# Allegro board 038RT-9068CJK8E-A100_0921_1.brd (continued)
## Routing (per net, layer and track width the routed paths; a pad name or vN(x,y) marks a point on that pad's centre or on a via; arc(x,y) is an arc through that point) (continued)
SG0_U2_FE_MDIX-: length 86.6
  TOP w0.105: 54.82,107.39 54.82,108.18
  TOP w0.115: v1(54.92,107.29) 54.82,107.39 ; T13.3 55.86,109.21 54.82,108.18
  L40_SIGNAL w0.1: v1(34.18,44.79) 33.98,44.59 32.06,44.59 31.96,44.69 31.96,44.91 31.86,45.01 31.66,45.01 31.56,44.91 31.56,44.69 31.46,44.59 28.85,44.59 27.97,45.47 27.97,53.1 54.77,79.91 54.77,106.75 54.92,106.89 v1(54.92,107.29)
  BOTTOM w0.105: v1(34.18,44.79) 34.04,44.64 31.58,44.64 U6.22
SG0_U3_FE_MDI+: length 55
  BOTTOM w0.105: 15.01,54.49 15.01,55.42 15.96,56.37 22.46,56.37 23.09,55.73 23.09,47.72 23.94,46.87 25.82,46.87 26.56,47.62 26.56,55.7 27.23,56.37 36.22,56.37 41.77,50.82 41.77,47.75 40.69,46.68 39.29,46.68 U6.39
  BOTTOM w0.115: CON3.1 15.01,54.49
SG0_U3_FE_MDI-: length 55
  BOTTOM w0.105: U6.38 39.29,47.14 40.5,47.14 41.3,47.95 41.3,50.63 36.03,55.9 27.43,55.9 27.03,55.5 27.03,47.42 26.01,46.41 23.75,46.41 22.63,47.53 22.63,55.54 22.27,55.9 16.16,55.9 15.48,55.22 15.48,53.6
  BOTTOM w0.115: 15.48,53.6 15.77,53.31 16.39,53.31 16.65,53.58 CON3.2
SG0_U3_FE_MDIX+: length 48.6
  BOTTOM w0.105: U6.45 39.29,43.68 41.12,43.68 43.5,46.06 43.5,51.91 35.41,60.01 27.16,60.01 25.72,61.45 15.96,61.45 15.15,60.63 15.15,57.17
  BOTTOM w0.115: CON3.3 15.15,57.17
SG0_U3_FE_MDIX-: length 48.6
  BOTTOM w0.105: U6.44 39.29,44.14 40.93,44.14 43.04,46.25 43.04,51.72 35.22,59.54 26.97,59.54 25.53,60.98 16.16,60.98 15.61,60.44 15.61,58.87
  BOTTOM w0.115: CON3.6 18.08,59.94 18.36,59.67 18.36,58.95 18.08,58.67 15.81,58.67 15.61,58.87
SG0_U4_GIGA_MDI+: length 14.1
  TOP w0.105: GPHY2.1 18.95,219.31 20.17,219.31 23.41,222.55 23.41,225.6 23.91,226.1 24.91,226.1 v1(25,226.19)
  BOTTOM w0.105: v1(25,226.19) 25.1,226.1 25.37,226.1 26.12,226.85 27.06,226.85 K145.3
SG0_U4_GIGA_MDI-: length 14.1
  TOP w0.105: GPHY2.2 18.95,218.84 20.36,218.84 23.88,222.36 23.88,225.41 24.1,225.63 24.91,225.63 v1(25,225.53)
  BOTTOM w0.105: v1(25,225.53) 25.1,225.63 25.56,225.63 26.31,226.39 27.06,226.39 K145.2
SG0_VBAT:
  vias: v1(90.2,203.82) v2(57.51,205.1) v2(58.78,205.1) v2(60.05,205.1) v2(62.09,205.1) v2(63.36,205.1) v2(64.63,205.1) v2(67.17,205.1)
SG0_VO09: length 64.7
  L05_SIGNAL w0.102: v1(90.2,201.42) 89.8,201.02 89.8,198.6
  L05_SIGNAL w0.105: 89.8,198.6 89.84,198.56 89.84,185.81 95.22,180.43 99.22,180.43 100.16,179.49 129.76,179.49 130.89,180.62 v2(130.89,185.37)
SG0_VSENSE: length 72.8
  L05_SIGNAL w0.102: v1(89.4,201.42) 89,201.02 89,198.6
  L05_SIGNAL w0.105: v2(129.62,187.77) 130.34,188.5 131.16,188.5 131.6,188.05 131.6,180.55 129.72,178.67 95.06,178.67 89.4,184.32 89.4,184.32 88.95,184.77 88.95,198.56 89,198.6
SG0_WAKE: length 65.1
  L05_SIGNAL w0.102: 93,198.6 93,201.02 v1(92.6,201.42)
  L05_SIGNAL w0.105: 93,198.6 93,196.36 93.85,195.51 93.85,185.54 96.24,183.14 101.26,183.14 102.58,181.82 127.38,181.82 128.14,182.57 128.14,188.14 129.61,189.61 132.19,189.61 133.43,188.36 v2(133.43,187.77)
SG0_WP: length 34.3
  L03_SIGNAL w0.102: v1(92.6,211.02) 92.2,211.42 92.2,213.74
  L03_SIGNAL w0.145: 92.2,213.74 92.2,213.94 91.39,214.75 90.13,214.75 89.49,214.11 85.26,214.11 84.66,213.51 73.88,213.51 70.57,216.82 66.04,216.82 v1(64.02,218.85)
SG1_1_P0_MDI+: length 2.5
  TOP w0.105: UNK1T2.1 628.09,219.84 629.5,219.84
  TOP w0.115: UNK1C180.1 629.5,219.84
SG1_1_P0_MDI-: length 2.6
  TOP w0.105: 629.5,220.31 628.2,220.31 UNK1T2.2
  TOP w0.115: UNK1C179.1 629.5,220.31
SG1_1_P1_MDI+: length 2.5
  TOP w0.105: UNK1T3.1 628.09,225.05 629.5,225.05
  TOP w0.115: UNK1C184.1 629.5,225.05
SG1_1_P1_MDI-: length 2.6
  TOP w0.105: 629.5,225.52 628.2,225.52 UNK1T3.2
  TOP w0.115: UNK1C183.1 629.5,225.52
SG1_1_P1_TXD0: length 98.2
  L13_SIGNAL w0.105: UNK1K225.4 525.51,202.35 474.65,202.35 457.81,219.2 442.49,219.2 v1(441.05,220.64)
  BOTTOM w0.115: v1(441.05,220.64) UNK1RR520.2
SG1_1_P1_TXD1: length 116.8
  L15_SIGNAL w0.105: v1(437.24,224.7) 437.98,223.96 451.89,223.96 453.73,222.11 460.4,222.11 460.57,221.95 467.78,221.95 480.9,208.83 535.06,208.83 535.67,208.22 535.67,203.61 535.06,203.01 531.5,203.01 UNK1K225.5
  BOTTOM w0.115: v1(437.24,224.7) UNK1RR521.2
SG1_1_P1_TXD2: length 95.5
  L15_SIGNAL w0.105: v1(441.05,218.61) 461.92,218.61 477.04,203.49 528.83,203.49 UNK1K226.4
  BOTTOM w0.115: v1(441.05,218.61) UNK1RR522.2
SG1_1_P1_TXD3: length 99.8
  L15_SIGNAL w0.105: UNK1K226.5 529.09,206.95 474.78,206.95 460.17,221.56 453.03,221.56 451.45,223.14 437.7,223.14 v1(437.24,222.67)
  BOTTOM w0.115: v1(437.24,222.67) UNK1RR523.2
SG1_1_P2_GIGA_MDI+: length 2.6
  TOP w0.105: UNK1C422.1 634.41,201.59 633.08,201.59 UNK1T24.1
SG1_1_P2_GIGA_MDI-: length 2.6
  TOP w0.105: UNK1C421.1 634.41,202.05 633.08,202.05 UNK1T24.2
SG1_1_P3_GIGA_MDI+: length 2.6
  TOP w0.105: UNK1C431.1 634.41,196.95 633.08,196.95 UNK1T25.1
SG1_1_P3_GIGA_MDI-: length 2.6
  TOP w0.105: UNK1C430.1 634.41,197.41 633.08,197.41 UNK1T25.2
SG1_1_P5_MDI+: length 2.5
  BOTTOM w0.105: 614.7,213.83 613.29,213.83 UNK1T21.2
  BOTTOM w0.115: UNK1C401.1 614.7,213.83
SG1_1_P5_MDI-: length 2.6
  BOTTOM w0.105: UNK1T21.1 613.4,214.3 614.7,214.3
  BOTTOM w0.115: UNK1C405.1 614.7,214.3
SG1_1_P5_TXD0: length 53.9
  L09_SIGNAL w0.105: UNK1K227.4 532.1,183.07 547.16,183.07 548.93,181.3 549.78,181.3 549.82,181.26 562.04,181.26 562.08,181.3 562.08,181.3 563.78,182.99 563.78,186.35 565.97,188.54 570.52,188.54 v1(574.97,192.99)
  BOTTOM w0.115: v1(574.97,192.99) UNK1RR920.2
SG1_1_P5_TXD1: length 119.8
  L15_SIGNAL w0.105: v1(437.24,220.64) 437.89,219.98 437.89,218.03 438.85,217.07 460.25,217.07 480.24,197.07 523.83,197.07 527.3,193.6 534.28,193.6 535.67,192.21 535.67,190.69 535.04,190.06 531.25,190.06 UNK1K227.5
  BOTTOM w0.115: v1(437.24,220.64) UNK1RR921.2
SG1_1_P5_TXD2: length 104.3
  L15_SIGNAL w0.105: v1(437.24,218.61) 437.24,217.73 438.5,216.48 459.23,216.48 479.68,196.02 514.54,196.02 518.1,192.46 529.05,192.46 UNK1K228.4
  BOTTOM w0.115: v1(437.24,218.61) UNK1RR922.2
SG1_1_P6_MDI+: length 2.5
  BOTTOM w0.105: UNK1T20.2 613.29,209.13 614.7,209.13
  BOTTOM w0.115: UNK1C407.1 614.7,209.13
SG1_1_P6_MDI-: length 2.6
  BOTTOM w0.105: UNK1T20.1 613.4,209.6 614.7,209.6
  BOTTOM w0.115: UNK1C402.1 614.7,209.6
SG1_2_P0_MDI+: length 146.9
  TOP w0.105: 632.14,219.84 632.41,219.84
  TOP w0.115: 632.41,219.84 v1(632.87,219.37) ; UNK1C180.2 632.14,219.84
  L07_SIGNAL w0.1: v1(632.87,219.37) 632.87,219.79 632.97,219.89 633.6,219.89 633.78,219.71 633.78,214.28 635.35,212.72 635.35,193.32 643.54,185.13 643.54,158.16 646.02,155.68 646.02,101.3 656.74,90.58 658.98,90.58 v2(659.18,90.38)
  BOTTOM w0.105: v2(659.18,90.38) 659.33,90.53 661.78,90.53 UNK1U18.6
SG1_2_P0_MDI-: length 146.9
  TOP w0.105: 632.14,220.31 632.41,220.31
  TOP w0.115: 632.41,220.31 v1(632.87,220.77) ; UNK1C179.2 632.14,220.31
  L07_SIGNAL w0.1: v1(632.87,220.77) 632.87,220.36 632.97,220.26 633.75,220.26 634.15,219.86 634.15,214.43 635.71,212.87 635.71,193.47 643.9,185.28 643.9,158.31 646.38,155.83 646.38,101.45 656.89,90.94 658.98,90.94 v2(659.18,91.14)
  BOTTOM w0.105: v2(659.18,91.14) 659.33,90.99 661.78,90.99 UNK1U18.7
SG1_2_P0_RC: length 3.9
  TOP w0.115: UNK1R140.2 UNK1R139.2 UNK1C181.1 UNK1R6.1
SG1_2_P1_MDI+: length 154.4
  TOP w0.105: 632.14,225.05 632.41,225.05
  TOP w0.115: 632.41,225.05 v1(632.87,224.58) ; UNK1C184.2 632.14,225.05
  L07_SIGNAL w0.1: v2(664.42,93.38) 664.22,93.58 657.56,93.58 648.43,102.71 648.43,156.95 645.58,159.8 645.58,196.9 641.45,201.03 641.45,211.2 635.49,217.15 635.49,224.18 634.57,225.1 632.97,225.1 632.87,225 v1(632.87,224.58)
  BOTTOM w0.105: v2(664.42,93.38) 664.27,93.53 661.82,93.53 UNK1U18.12
SG1_2_P1_MDI-: length 154.4
  TOP w0.105: 632.14,225.52 632.41,225.52
  TOP w0.115: UNK1C183.2 632.14,225.52 ; 632.41,225.52 v1(632.87,225.98)
  L07_SIGNAL w0.1: v1(632.87,225.98) 632.87,225.57 632.97,225.47 634.72,225.47 635.85,224.33 635.85,217.31 641.81,211.35 641.81,201.18 645.95,197.05 645.95,159.95 648.79,157.1 648.79,102.86 657.71,93.94 664.22,93.94 v2(664.42,94.14)
  BOTTOM w0.105: UNK1U18.13 661.82,93.99 664.27,93.99 v2(664.42,94.14)
SG1_2_P1_RC: length 3.9
  TOP w0.115: UNK1C182.1 UNK1R7.1 UNK1R141.2 UNK1R142.2
SG1_2_P2_GIGA_MDI+: length 43.5
  TOP w0.105: UNK1C422.2 637.05,201.59 637.32,201.59 v4(638.1,200.8)
  L03_SIGNAL w0.136: v4(638.1,200.8) 638.1,201.46 638.24,201.59 638.89,201.59 639.31,202.01 639.31,204.93 639.06,205.18 639.06,213.44 635.6,216.9 635.6,227.16 636.69,228.25 640.96,228.25 642.83,226.38 642.83,225.59 v1(642.73,225.49)
  BOTTOM w0.105: UNK1K144.15 644.91,224 643.45,224 642.83,224.62 642.83,225.39 v1(642.73,225.49)
SG1_2_P2_GIGA_MDI-: length 43.5
  TOP w0.105: v4(638.1,202.84) 637.32,202.05 637.05,202.05 UNK1C421.2
  L03_SIGNAL w0.136: v4(638.1,202.84) 638.1,202.18 638.24,202.05 638.7,202.05 638.85,202.2 638.85,204.74 638.6,204.99 638.6,213.26 635.14,216.72 635.14,227.35 636.5,228.7 641.15,228.7 643.29,226.57 643.29,225.59 v1(643.39,225.49)
  BOTTOM w0.105: UNK1K144.16 644.91,224.46 643.64,224.46 643.29,224.81 643.29,225.39 v1(643.39,225.49)
SG1_2_P2_RC: length 4.7
  TOP w0.115: UNK1R517.2 641.21,200.8 UNK1R519.1 UNK1C427.1 641.21,202.84 UNK1R518.2
SG1_2_P3_GIGA_MDI+: length 34.2
  TOP w0.105: v4(638.1,196.16) 637.32,196.95 637.05,196.95 UNK1C431.2
  L03_SIGNAL w0.136: v4(638.1,196.16) 638.1,196.82 638.24,196.95 638.85,196.95 639.29,197.39 639.29,198.95 639.42,199.09 641.72,199.09 642.61,199.98 642.61,213.4 640.46,215.55 640.46,219.1 640.87,219.5 642.05,219.5 v1(642.15,219.4)
  BOTTOM w0.105: UNK1K144.6 644.91,219.5 642.25,219.5 v1(642.15,219.4)
SG1_2_P3_GIGA_MDI-: length 34.2
  TOP w0.105: v4(638.1,198.2) 637.32,197.41 637.05,197.41 UNK1C430.2
  L03_SIGNAL w0.136: v1(642.15,220.06) 642.05,219.96 640.68,219.96 640.01,219.28 640.01,215.36 642.16,213.21 642.16,200.16 641.54,199.54 639.23,199.54 638.83,199.14 638.83,197.57 638.67,197.41 638.24,197.41 638.1,197.54 v4(638.1,198.2)
  BOTTOM w0.105: UNK1K144.7 644.91,219.96 642.25,219.96 v1(642.15,220.06)
SG1_2_P3_RC: length 4.7
  TOP w0.115: UNK1R536.2 641.21,196.16 UNK1R538.1 UNK1C436.1 641.21,198.2 UNK1R537.2
SG1_2_P5_MDI+: length 173.7
  L07_SIGNAL w0.1: v1(618.08,213.37) 618.08,213.78 618.18,213.88 619.54,213.88 630.69,225.03 630.69,226.59 632.75,228.65 638.31,228.65 638.83,228.13 638.83,217.86 647.23,209.46 647.23,160.51 650.61,157.12 650.61,103.57 657.6,96.58 658.98,96.58 v2(659.18,96.38)
  BOTTOM w0.105: v2(659.18,96.38) 659.33,96.53 661.78,96.53 UNK1U18.18 ; 617.61,213.83 617.34,213.83
  BOTTOM w0.115: v1(618.08,213.37) 617.61,213.83 ; 617.34,213.83 UNK1C401.2
SG1_2_P5_MDI-: length 173.7
  L07_SIGNAL w0.1: v2(659.18,97.14) 658.98,96.94 657.75,96.94 650.97,103.72 650.97,157.28 647.59,160.66 647.59,209.61 639.19,218.01 639.19,228.28 638.46,229.01 632.6,229.01 630.33,226.74 630.33,225.18 619.39,214.25 618.18,214.25 618.08,214.35 v1(618.08,214.77)
  BOTTOM w0.105: 617.61,214.3 617.34,214.3 ; v2(659.18,97.14) 659.33,96.99 661.78,96.99 UNK1U18.19
  BOTTOM w0.115: v1(618.08,214.77) 617.61,214.3 ; 617.34,214.3 UNK1C405.2
SG1_2_P5_RC: length 3.9
  BOTTOM w0.115: UNK1R470.2 UNK1R474.2 UNK1C406.1 UNK1R9.1
SG1_2_P6_MDI+: length 192.2
  L07_SIGNAL w0.1: v2(664.42,97.88) 664.62,98.08 665.26,98.08 665.69,98.51 665.69,103.72 664.28,105.13 660.85,105.13 653.03,112.94 653.03,158.52 651.45,160.11 651.45,208.11 646.22,213.34 646.22,217.24 645.28,218.18 645.28,223.83 646.28,224.83 646.28,226.53 642.1,230.71 630.93,230.71 626.25,226.03 626.25,224.93 619.91,218.59 618.81,218.59 616.03,215.81 616.03,209.95 616.8,209.19 617.98,209.19 618.08,209.09 v1(618.08,208.67)
  BOTTOM w0.105: 617.61,209.13 617.34,209.13 ; UNK1U18.21 661.82,98.03 664.27,98.03 v2(664.42,97.88)
  BOTTOM w0.115: 617.34,209.13 UNK1C407.2 ; v1(618.08,208.67) 617.61,209.13
SG1_2_P6_MDI-: length 192.2
  L07_SIGNAL w0.1: v1(618.08,210.07) 618.08,209.65 617.98,209.55 616.95,209.55 616.39,210.1 616.39,215.66 618.96,218.23 620.06,218.23 626.61,224.78 626.61,225.88 631.08,230.35 641.95,230.35 645.92,226.38 645.92,224.98 644.92,223.98 644.92,218.03 645.86,217.09 645.86,213.19 651.08,207.96 651.08,159.96 652.67,158.37 652.67,112.79 660.7,104.76 664.13,104.76 665.33,103.57 665.33,101.42 665.21,101.3 664.71,101.3 664.59,101.19 664.59,101.02 664.71,100.9 665.21,100.9 665.33,100.79 665.33,100.62 665.21,100.5 664.71,100.5 664.59,100.39 664.59,100.22 664.71,100.1 665.21,100.1 665.33,99.99 665.33,98.66 665.11,98.44 664.62,98.44 v2(664.42,98.64)
  BOTTOM w0.105: UNK1U18.22 661.82,98.49 664.27,98.49 v2(664.42,98.64) ; 617.61,209.6 617.34,209.6
  BOTTOM w0.115: 617.34,209.6 UNK1C402.2 ; v1(618.08,210.07) 617.61,209.6
SG1_2_P6_RC: length 3.9
  BOTTOM w0.115: UNK1R473.2 UNK1R475.2 UNK1C399.1 UNK1R19.1
SG1_3_P2_GIGA_MDI+: length 25.4
  BOTTOM w0.105: UNK1K145.33 659.52,228.85 656.6,228.85 656.07,229.37 656.07,233.38 655.68,233.77 654.24,233.77 653.94,233.47 653.94,223.73 653.28,223.06 651.84,223.06 651.27,222.5 648.93,222.5 UNK1K144.27
SG1_3_P2_GIGA_MDI-: length 25.4
  BOTTOM w0.105: UNK1K144.26 648.93,222.96 651.08,222.96 651.65,223.53 653.09,223.53 653.48,223.92 653.48,233.66 654.05,234.23 655.87,234.23 656.53,233.57 656.53,229.57 656.79,229.31 659.52,229.31 UNK1K145.34
SG1_3_P3_GIGA_MDI+: length 28.1
  L46_SIGNAL w0.136: v3(657.58,230.75) 657.48,230.85 656.74,230.85 654.62,228.74 654.62,223.13 656.98,220.78 656.98,216.82 656.17,216.01 653.21,216.01 v3(653.11,215.91)
  BOTTOM w0.105: UNK1K145.37 659.52,230.85 657.68,230.85 v3(657.58,230.75) ; v3(653.11,215.91) 653.01,216.01 652.32,216.01 650.33,218 648.93,218 UNK1K144.36
SG1_3_P3_GIGA_MDI-: length 28.1
  L46_SIGNAL w0.136: v3(653.11,216.57) 653.21,216.46 655.98,216.46 656.53,217.01 656.53,220.59 654.17,222.95 654.17,228.92 656.55,231.31 657.48,231.31 v3(657.58,231.41)
  BOTTOM w0.105: UNK1K145.38 659.52,231.31 657.68,231.31 v3(657.58,231.41) ; UNK1K144.35 648.93,218.46 650.52,218.46 652.52,216.47 653.01,216.47 v3(653.11,216.57)
SG1_3PI_P0_MDI+: length 46.8
  L11_SIGNAL w0.1: UNK1MQS1.6 686.33,101.5 686.43,101.4 687.88,101.4 688.53,100.75 688.53,93.49 687.73,92.68 679.32,92.68 678.93,93.07 678.93,94.42 680.6,96.09 680.6,98.09 679.92,98.78 675.88,98.78 675.68,98.58 675.68,90.23 675.03,89.58 672.33,89.58 v2(672.13,89.38)
  BOTTOM w0.105: UNK1U18.61 669.53,89.53 671.98,89.53 v2(672.13,89.38)
SG1_3PI_P0_MDI-: length 46.8
  L11_SIGNAL w0.1: UNK1MQS1.7 686.33,100.94 686.43,101.04 687.73,101.04 688.16,100.6 688.16,93.64 687.57,93.05 682.27,93.05 682.09,93.22 682.09,93.38 681.91,93.55 681.66,93.55 681.49,93.38 681.49,93.22 681.31,93.05 681.06,93.05 680.89,93.22 680.89,93.38 680.71,93.55 680.46,93.55 680.29,93.38 680.29,93.22 680.11,93.05 679.47,93.05 679.3,93.22 679.3,94.27 680.96,95.94 680.96,98.24 680.07,99.14 675.73,99.14 675.32,98.73 675.32,90.38 674.88,89.94 672.33,89.94 v2(672.13,90.14)
  BOTTOM w0.105: v2(672.13,90.14) 671.98,89.99 669.53,89.99 UNK1U18.60
SG1_3PI_P1_MDI+: length 28.2
  L11_SIGNAL w0.1: UNK1MQS1.15 683.79,101.5 683.69,101.4 670.5,101.4 669.66,100.56 669.66,93.51 670.6,92.58 671.93,92.58 v2(672.13,92.38)
  BOTTOM w0.105: UNK1U18.55 669.53,92.53 671.98,92.53 v2(672.13,92.38)
SG1_3PI_P1_MDI-: length 28.2
  L11_SIGNAL w0.1: v2(672.13,93.14) 671.93,92.94 670.75,92.94 670.03,93.66 670.03,100.41 670.65,101.04 679.59,101.04 679.77,100.86 679.77,100.71 679.94,100.53 680.19,100.53 680.37,100.71 680.37,100.86 680.54,101.04 680.79,101.04 680.97,100.86 680.97,100.71 681.14,100.53 681.39,100.53 681.57,100.71 681.57,100.86 681.74,101.04 683.69,101.04 683.79,100.94 UNK1MQS1.16
  BOTTOM w0.105: v2(672.13,93.14) 671.98,92.99 669.53,92.99 UNK1U18.54
SG1_3PI_P5_MDI+: length 44.5
  L13_SIGNAL w0.1: v2(672.13,95.38) 672.33,95.58 673.68,95.58 673.87,95.38 673.87,87.9 674.25,87.53 679.09,87.53 679.74,88.18 679.74,90.06 679.17,90.64 676.36,90.64 676.22,90.78 676.22,92.51 676.37,92.65 687.94,92.65 688.59,93.3 688.59,95.87 688.14,96.32 686.43,96.32 686.33,96.42 UNK1MQS1.8
  BOTTOM w0.105: UNK1U18.49 669.53,95.53 671.98,95.53 v2(672.13,95.38)
SG1_3PI_P5_MDI-: length 44.5
  L13_SIGNAL w0.1: v2(672.13,96.14) 672.33,95.94 673.83,95.94 674.24,95.53 674.24,88.05 674.4,87.9 678.94,87.9 679.37,88.33 679.37,89.91 679.02,90.27 676.21,90.27 675.86,90.63 675.86,92.66 676.22,93.02 678.93,93.02 679.11,93.19 679.11,93.35 679.28,93.52 679.53,93.52 679.71,93.35 679.71,93.19 679.88,93.02 680.13,93.02 680.31,93.19 680.31,93.35 680.49,93.52 680.73,93.52 680.91,93.35 680.91,93.19 681.09,93.02 687.79,93.02 688.22,93.45 688.22,95.72 687.98,95.96 686.43,95.96 686.33,95.86 UNK1MQS1.9
  BOTTOM w0.105: UNK1U18.48 669.53,95.99 671.98,95.99 v2(672.13,96.14)
SG1_3PI_P6_MDI+: length 27.3
  L13_SIGNAL w0.1: UNK1MQS1.17 683.79,96.42 683.69,96.32 681.41,96.32 676.23,101.51 670.61,101.51 669.6,100.5 669.6,99.34 670.68,98.26 673.08,98.26 v2(673.27,98.06)
  BOTTOM w0.105: UNK1U18.45 669.53,97.53 670.61,97.53 671.29,98.21 673.13,98.21 v2(673.27,98.06)
SG1_3PI_P6_MDI-: length 27.3
  L13_SIGNAL w0.1: UNK1MQS1.18 683.79,95.86 683.69,95.96 681.26,95.96 680.61,96.61 680.36,96.61 680.25,96.5 680,96.5 679.82,96.68 679.82,96.93 679.93,97.04 679.93,97.29 679.76,97.46 679.51,97.46 679.4,97.35 679.16,97.35 678.97,97.54 678.97,97.78 679.08,97.89 679.08,98.14 676.08,101.14 670.76,101.14 669.97,100.35 669.97,99.49 670.83,98.63 673.08,98.63 v2(673.27,98.82)
  BOTTOM w0.105: v2(673.27,98.82) 673.13,98.68 671.1,98.68 670.42,97.99 669.53,97.99 UNK1U18.44
SG1_AT+: length 20.5
  L05_SIGNAL w0.1: v1(620.57,192.73) 620.22,192.73 620.12,192.83 620.12,193.59 619.52,194.19 615.13,194.19 607.71,201.6 605.93,201.6
  L05_SIGNAL w0.102: 605.93,201.6 605.93,201.6 605.79,201.6 605.57,201.82 604.8,201.82 v1(604.4,202.22)
SG1_AT-: length 20.5
  L05_SIGNAL w0.1: 605.93,201.24 607.56,201.24 614.98,193.82 618.21,193.82 618.33,193.71 618.33,193.5 618.44,193.39 618.61,193.39 618.73,193.5 618.73,193.71 618.84,193.82 619.37,193.82 619.75,193.44 619.75,192.83 619.65,192.73 v1(619.3,192.73)
  L05_SIGNAL w0.102: 605.93,201.24 605.79,201.24 605.57,201.02 604.8,201.02 v1(604.4,201.42)
SG1_AVDD09: length 17.7
  L07_SIGNAL w0.508: v1(582.75,211.31) 581.46,211.31 570.83,221.94 v2(569.45,221.94)
  vias: v1(583.38,211.31) v1(591.6,211.02) v1(591.6,210.22) v1(591.6,207.82) v1(591.6,207.02) v1(591.6,206.22) v1(591.6,205.42) v1(592.4,208.62) v1(592.4,204.62) v1(593.2,203.82) v1(593.2,203.02) v1(601.2,204.62) v1(601.2,203.82) v1(602,211.02) v1(602,210.22) v1(602,202.22) v1(602,201.42) v1(602.8,207.82) v1(602.8,202.22) v1(602.8,201.42) v1(603.6,202.22) v1(605.2,207.82)
SG1_AVDD33: length 18.4
  TOP w0.508: v1(593.5,218.06) 594.41,218.98 594.41,227.59 598.66,231.84 SG1_AVDD33.1
  vias: v1(591.6,201.42) v1(593.2,207.02) v1(593.2,206.22) v1(593.2,202.22) v1(593.2,201.42) v1(593.5,217.43) v1(600.4,210.22) v1(600.4,202.22) v1(600.4,201.42) v1(601.2,207.82) v1(601.2,202.22) v1(601.2,201.42) v1(602,209.42) v1(602,208.62) v1(602,205.42) v1(602.8,211.02) v1(602.8,210.22) v1(602.8,209.42) v1(602.8,208.62) v1(603.6,211.02) v1(604.4,204.62) v1(604.4,203.82) v1(604.4,203.02) v1(604.4,200.62) v1(604.4,199.82)
SG1_AVDD33_MOSFET: length 16.8
  TOP w0.508: v1(599.23,218.06) 600.57,219.4 SG1_AVDD33_MOSFET.1
  vias: v1(598.8,210.22) v1(599.23,217.43)
SG1_C_P4_HSI+: length 6.4
  BOTTOM w0.105: UNK1CS64.1 560.1,186.75 560,186.64 558.11,186.64 557.75,187 557.75,187.98 556.59,189.14 555.59,189.14 UNK1K184.35
SG1_C_P4_HSI-: length 6.4
  BOTTOM w0.105: UNK1CS63.1 560.1,186.07 560,186.18 557.92,186.18 557.29,186.81 557.29,187.79 556.4,188.68 555.59,188.68 UNK1K184.36
SG1_C_P4_HSO+: length 7.7
  BOTTOM w0.105: UNK1CS62.1 560.1,184.24 560,184.13 558.22,184.13 556.75,185.61 556.75,187.69 556.29,188.14 555.59,188.14 UNK1K184.37
SG1_C_P4_HSO-: length 7.7
  BOTTOM w0.105: UNK1K184.38 555.59,187.68 556.1,187.68 556.28,187.5 556.28,185.41 558.03,183.67 560,183.67 560.1,183.56 UNK1CS61.1
SG1_C_P5_HSI+: length 5.7
  BOTTOM w0.105: UNK1CS74.1 560.1,195.76 560,195.66 559.24,195.66 557.22,193.64 555.59,193.64 UNK1K184.26
SG1_C_P5_HSI-: length 5.7
  BOTTOM w0.105: UNK1CS73.1 560.1,195.09 560,195.19 559.43,195.19 557.42,193.18 555.59,193.18 UNK1K184.27
SG1_C_P5_HSO+: length 5
  BOTTOM w0.105: UNK1CS72.1 560.1,193.25 560,193.15 558.96,193.15 558.46,192.64 555.59,192.64 UNK1K184.28
SG1_C_P5_HSO-: length 5
  BOTTOM w0.105: UNK1CS71.1 560.1,192.58 560,192.68 559.15,192.68 558.65,192.18 555.59,192.18 UNK1K184.29
SG1_C_P6_HSI+: length 3.4
  BOTTOM w0.14: UNK1CS107.1 558.62,209.23 558.48,209.37 555.62,209.37 UNK1K217.27
SG1_C_P6_HSI-: length 3.4
  BOTTOM w0.14: UNK1K217.26 555.62,209.76 558.48,209.76 558.62,209.9 UNK1CS108.1
SG1_C_P6_HSO+: length 109.3
  TOP w0.14: v1(472.63,196.45) 472.71,196.37 arc(472.77,196.33) 472.85,196.31 509.84,196.31 arc(510.75,196.49) 511.53,197.01 533.5,218.99 arc(534.42,219.6) 535.5,219.82 561.85,219.82 arc(562.12,219.76) 562.35,219.61 565.93,216.03 arc(566.03,215.96) 566.15,215.94 566.42,215.94 arc(566.66,215.99) 566.87,216.12 UNK1CS102.1
  BOTTOM w0.14: v1(472.63,196.45) 472.5,196.31 472.04,196.31 470.79,195.06 469.72,195.06 UNK1K214.26
SG1_C_P6_HSO-: length 109.3
  TOP w0.14: UNK1CS101.1 566.87,215.36 arc(566.66,215.5) 566.42,215.55 566.15,215.55 arc(565.88,215.6) 565.65,215.75 562.07,219.34 arc(561.97,219.4) 561.85,219.43 535.5,219.43 arc(534.57,219.24) 533.78,218.71 511.8,196.74 arc(510.9,196.13) 509.84,195.92 472.85,195.92 arc(472.77,195.91) 472.71,195.86 v1(472.63,195.79)
  BOTTOM w0.14: UNK1K214.27 469.72,194.67 470.95,194.67 472.2,195.92 472.5,195.92 v1(472.63,195.79)
SG1_C_P7_HSI+: length 4.8
  BOTTOM w0.14: UNK1K217.29 555.62,208.37 557,208.37 557.41,207.96 557.41,206.91 557.81,206.51 558.48,206.51 558.62,206.37 UNK1CS117.1
SG1_C_P7_HSI-: length 4.8
  BOTTOM w0.14: UNK1CS118.1 558.62,207.04 558.48,206.9 557.98,206.9 557.8,207.07 557.8,208.12 557.16,208.76 555.62,208.76 UNK1K217.28
SG1_C_P7_HSO+: length 109
  TOP w0.14: v1(472.63,194.45) 472.71,194.37 arc(472.77,194.33) 472.85,194.31 511.77,194.31 arc(512.55,194.47) 513.22,194.92 535.22,216.91 arc(536.21,217.57) 537.38,217.81 559.76,217.81 arc(560.03,217.75) 560.26,217.6 564.34,213.52 arc(564.44,213.45) 564.56,213.43 566.42,213.43 arc(566.66,213.48) 566.87,213.62 UNK1CS112.1
  BOTTOM w0.14: UNK1K214.28 469.72,194.06 470.89,194.06 471.14,194.31 472.5,194.31 v1(472.63,194.45)
SG1_C_P7_HSO-: length 109
  TOP w0.14: UNK1CS111.1 566.87,212.86 arc(566.66,212.99) 566.42,213.04 564.56,213.04 arc(564.29,213.09) 564.06,213.25 559.98,217.33 arc(559.88,217.39) 559.76,217.42 537.38,217.42 arc(536.36,217.21) 535.5,216.64 513.5,194.64 arc(512.7,194.11) 511.77,193.92 472.85,193.92 arc(472.77,193.91) 472.71,193.86 v1(472.63,193.79)
  BOTTOM w0.14: v1(472.63,193.79) 472.5,193.92 471.3,193.92 471.05,193.67 469.72,193.67 UNK1K214.29
SG1_CKXTAL1: length 13.2
  BOTTOM w0.115: UNK1Y6.3 605.26,192.67 UNK1C75.2 605.26,197.2 606.35,198.29 606.35,203.23 605.76,203.82 v1(605.2,203.82)
SG1_CKXTAL2: length 19.1
  BOTTOM w0.115: v1(605.2,204.62) 606.41,204.62 607.38,203.66 607.38,197.86 606.29,196.77 UNK1C76.2 606.29,192.99 606.48,192.8 607.92,192.8 608.19,192.53 608.19,191.15 607.82,190.78 UNK1Y6.1
SG1_DCH_TDO: length 297.2
  L46_SIGNAL w0.102: 590.38,209.02 599.07,209.02 599.2,208.9 599.2,201.82 v1(599.6,201.42)
  L46_SIGNAL w0.145: 590.38,209.02 585.75,209.02 584.89,209.87 561.61,209.87 557.9,213.59 552.37,213.59 551.17,214.79 478.18,214.79 473.79,219.19 428.39,219.19 425.96,216.76 417.33,216.76 414.1,220 406.18,220 391.67,234.51 336.15,234.51 331.54,229.9 329.13,229.9 328.16,230.86 328.16,232.04 v1(327.22,232.98)
  BOTTOM w0.115: v1(327.22,232.98) MUX16.3
SG1_DISB: length 26.9
  L03_SIGNAL w0.145: v2(579.61,234.33) 580.21,233.73 580.21,231.66 589.6,222.27 589.6,219.44 594,215.04 v1(594,213.42)
SG1_DVDD09: length 24.8
  TOP w0.508: SG1_DVDD09.1 563.74,206.01 565.12,204.63 570.79,204.63 571.18,205.02 578.7,205.02 579.59,204.13 v1(584.23,204.13)
  vias: v1(584.87,204.13) v1(585.69,204.65) v1(586.52,204.65) v1(595.6,206.22) v1(595.6,205.42) v1(595.6,204.62) v1(596.4,206.22) v1(596.4,205.42) v1(596.4,204.62) v1(597.2,207.02) v1(598,207.02) v1(598.8,211.82) v1(598.8,207.02) v1(599.6,211.82) v1(599.6,207.02) v1(600.4,207.82) v1(601.2,207.02) v1(601.2,206.22) v1(601.2,205.42) v1(603.6,207.02) v1(603.6,206.22) v1(603.6,204.62)
SG1_DVDD33: length 20.4
  TOP w0.508: SG1_DVDD33.1 565.1,195.18 571.29,195.18 572.36,196.25 580.3,196.25 581.14,195.4 v1(582.78,195.4)
  vias: v1(583.41,195.4) v1(584.24,195.92) v1(592.37,203.02) v1(595.6,203.82) v1(595.6,203.02) v1(595.6,200.62) v1(596.4,203.82)
SG1_FE_LED0: length 26.9
  L05_SIGNAL w0.102: v1(595.6,202.22) 595.2,201.82 595.2,198.6
  L05_SIGNAL w0.105: v2(592.31,177.18) 592.87,177.73 592.87,183.44 592.25,184.06 592.25,194.05 595.2,197 595.2,198.6
SG1_FE_LED1: length 26.9
  L05_SIGNAL w0.102: v1(594.8,202.22) 594.4,201.82 594.4,198.7 594.47,198.63 594.47,197.92
  L05_SIGNAL w0.105: 594.47,197.92 594.47,197.3 591.52,194.35 591.52,178.29 v2(590.41,177.18)
SG1_GPIO_VDDIO: length 21.3
  TOP w0.508: v1(580.6,214.41) 578.94,214.41 569.62,223.73 565.12,223.73 SG1_GPIO_VDDIO.1
  vias: v1(581.24,214.41) v1(593.2,211.82) v1(593.2,209.42) v1(594,209.42) v1(594,202.22) v1(594.8,211.82) v1(594.8,207.02) v1(596.4,211.82) v1(596.4,209.42) v1(596.4,207.02) v1(597.2,208.62)